# Altium PCB UmTRXv2.PcbDoc (part 3 of 25)
Units mm, origin at the board's own origin, x right, y up, seen from the top; angles counter-clockwise.
Board outline 159.5 x 99.5 mm, 6 copper layers (Top Layer, GND, MidLayer1, Mid-Layer 2, InternalPlane2, Bottom Layer), stack 1.526 mm thick; 708 components, 578 nets, 2802 pads, 1408 vias.
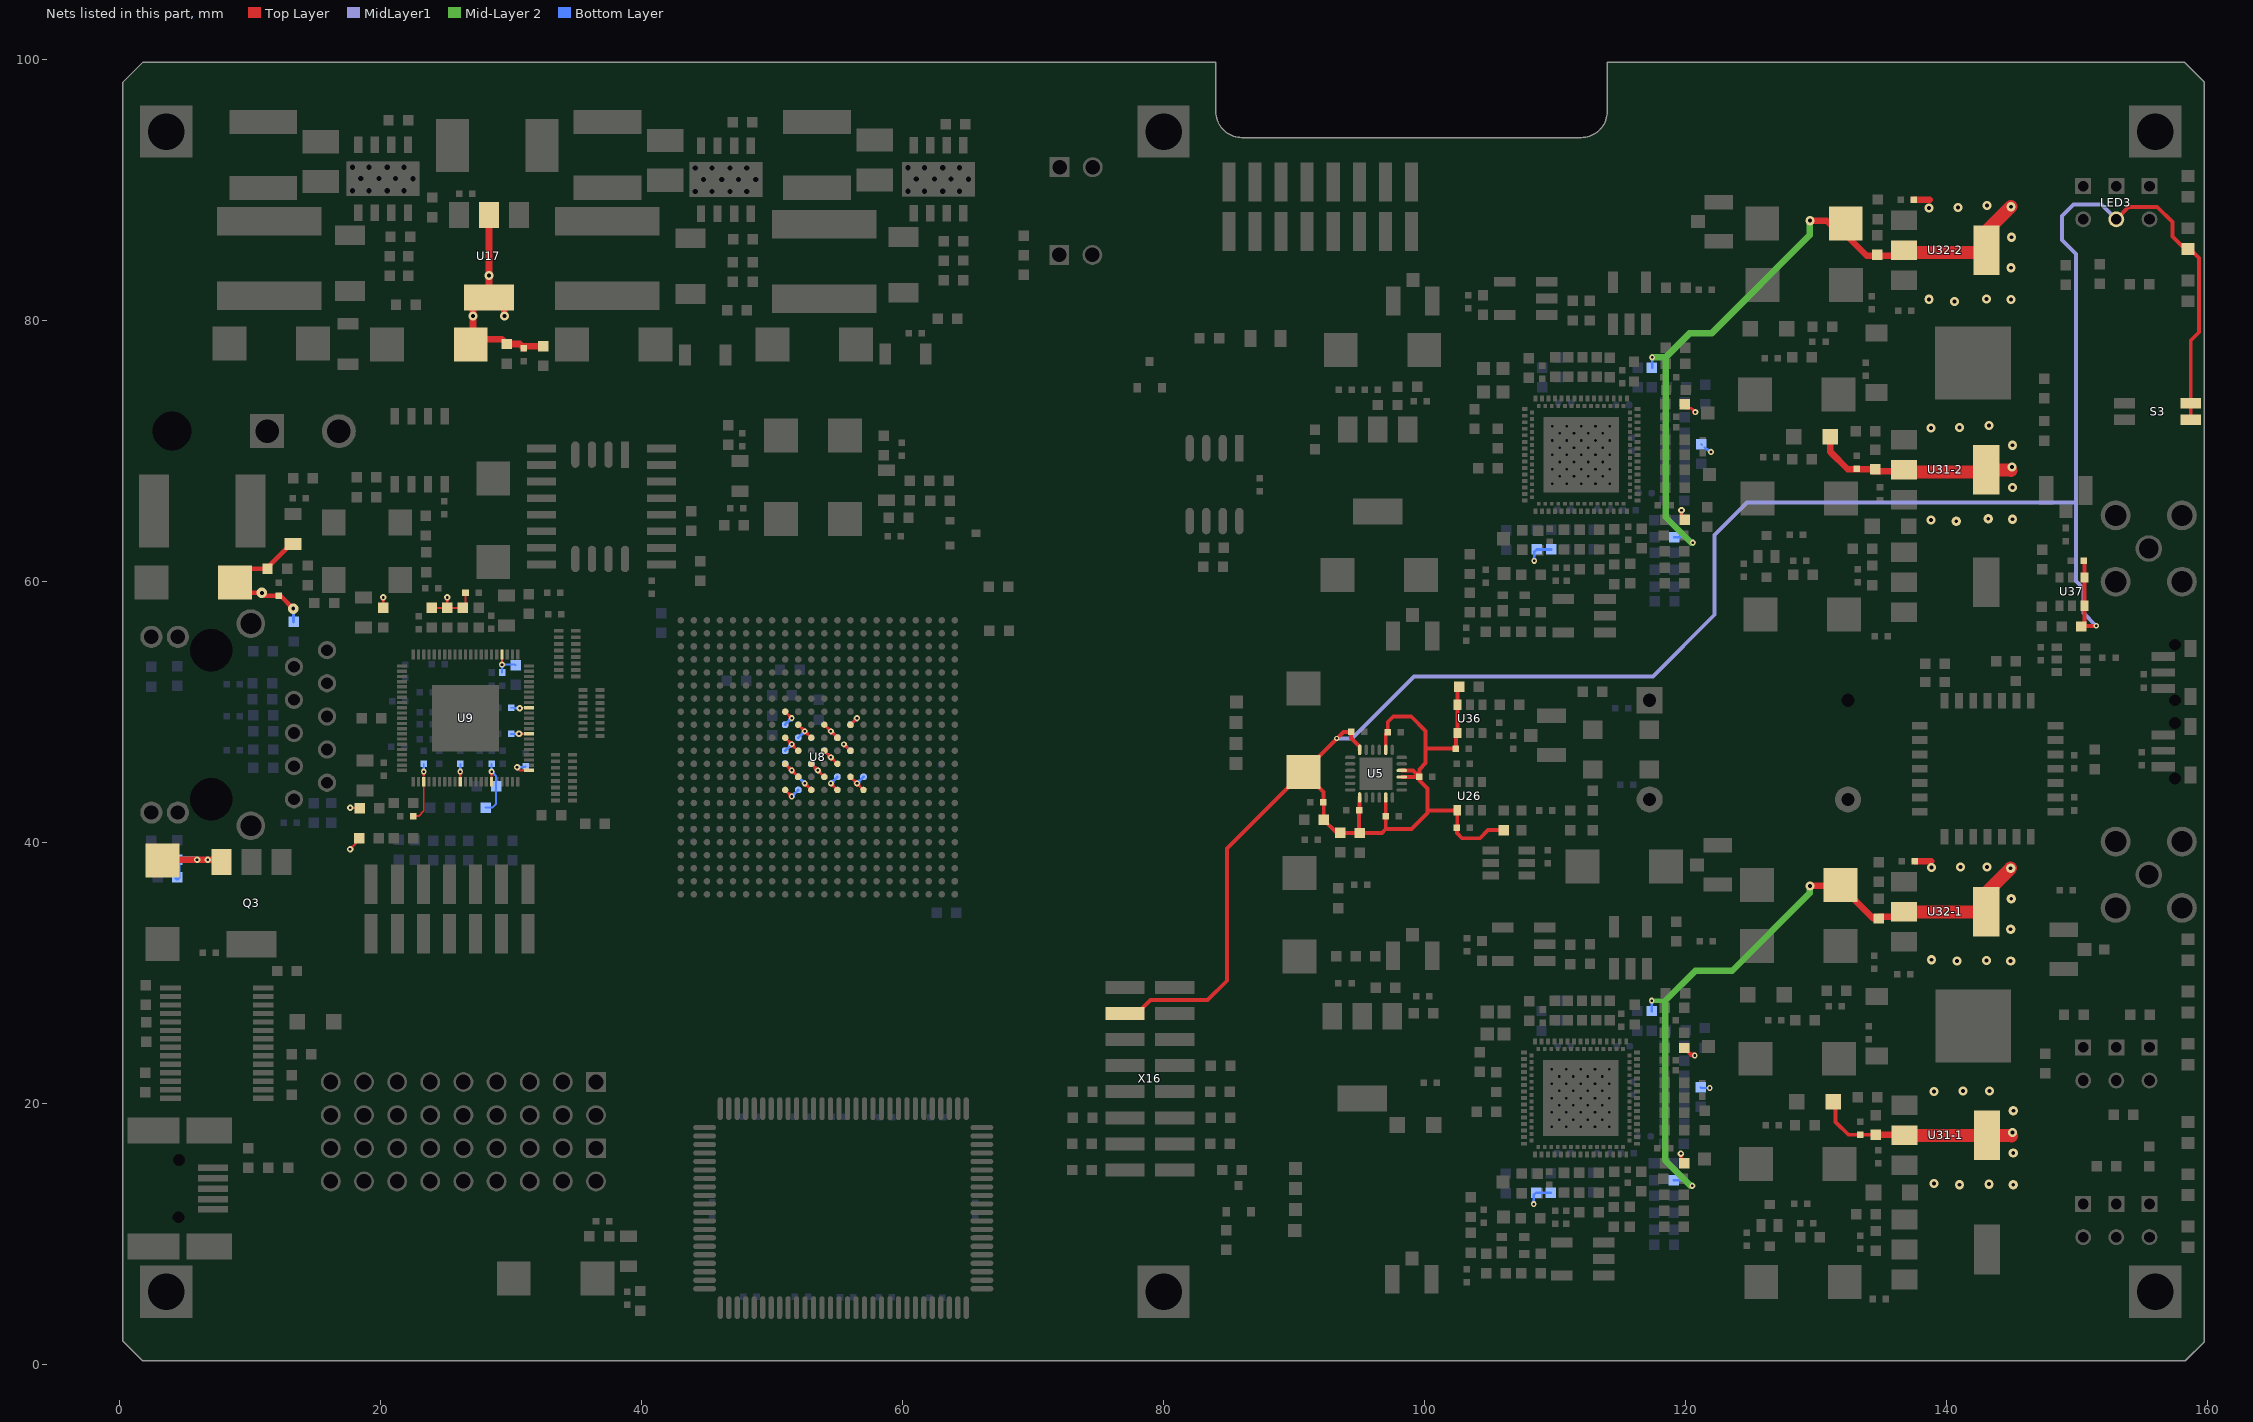
[diagram p7: the nets of this part, all layers, seen from the top]

## Via types
v1: diameter 0.5, hole 0.2, Top Layer to Bottom Layer, tented both sides, 441 vias
v2: diameter 0.45, hole 0.2, Top Layer to Bottom Layer, tented both sides, 429 vias
v3: diameter 0.7, hole 0.3, Top Layer to Bottom Layer, tented both sides, 258 vias
v4: diameter 0.4, hole 0.2, Top Layer to Bottom Layer, tented both sides, 197 vias
v5: diameter 0.8, hole 0.3, Top Layer to Bottom Layer, tented both sides, 61 vias
v6: diameter 0.6, hole 0.25, Top Layer to Bottom Layer, tented both sides, 16 vias
v7: diameter 0.6, hole 0.3, Top Layer to Bottom Layer, tented both sides, 4 vias
v8: diameter 1, hole 0.5, Top Layer to Bottom Layer, tented both sides, 2 vias

## Nets (pads, with @x,y where several pads share a name; then routed paths per layer and width w, separated by ;. In a path a pad name is that pad's centre, name@x,y a point inside that pad or via, vN(x,y) a via of type N, cw(c..) or ccw(c..) an arc to the next point about the centre after c; other vN are vias at no path point) (continued)
+1,2VFPGA: C138.1 C148.1 C154.1 C260.1 C262.1 C263.1 C264.1 C265.1 C268.1 C270.1 C271.1 C272.1 C273.1 C274.1 C276.1 C277.1 R138.1 U8.J8 U8.J10 U8.J12 U8.J14 U8.K9 U8.K11 U8.K13 U8.L10 U8.L12 U8.L14 U8.M9 U8.M11 U8.M13 U8.N10 U8.N12 U8.N14 U8.P9 U8.P11 U8.P13 U8.R14 U17.2 | length 89.7
  Top Layer w0.2: U8.J14@51,44 v2(51.5,43.5) ; U8.L14@51,46 v2(51.5,45.5) U8.K13@52,45 ; U8.N14@51,48 v2(51.5,47.5) U8.M13@52,47 ; U8.R14@51,50 v2(51.5,49.5) ; v2@51.35,43.5 ccw(c50.988,43.5) 51.244,43.756 ccw(c51.5,44.012) v2@51.5,43.65 ; v2@51.35,45.5 ccw(c50.988,45.5) 51.244,45.756 ccw(c51.5,46.012) v2@51.5,45.65 ; v2@51.35,47.5 ccw(c50.988,47.5) 51.244,47.756 ccw(c51.5,48.012) v2@51.5,47.65 ; v2@51.35,49.5 ccw(c50.988,49.5) 51.244,49.756 ccw(c51.5,50.012) v2@51.5,49.65 ; v2@51.5,45.35 cw(c51.5,44.988) 51.756,45.244 cw(c52.012,45.5) v2@51.65,45.5 ; v2@51.5,47.35 cw(c51.5,46.988) 51.756,47.244 cw(c52.012,47.5) v2@51.65,47.5 ; U8.P13@52,49 v2(52.5,48.5) U8.N12@53,48 ; v2@52.35,48.5 ccw(c51.988,48.5) 52.244,48.756 ccw(c52.5,49.012) v2@52.5,48.65 ; v2@52.5,44.35 cw(c52.5,43.988) 52.756,44.244 cw(c53.012,44.5) v2@52.65,44.5 ; v2(52.5,44.5) U8.J12@53,44 ; v2@52.5,48.35 cw(c52.5,47.988) 52.756,48.244 cw(c53.012,48.5) v2@52.65,48.5 ; U8.L12@53,46 v2(53.5,45.5) U8.K11@54,45 ; v2@53.35,45.5 ccw(c52.988,45.5) 53.244,45.756 ccw(c53.5,46.012) v2@53.5,45.65 ; v2@53.5,45.35 cw(c53.5,44.988) 53.756,45.244 cw(c54.012,45.5) v2@53.65,45.5 ; U8.M11@54,47 v2(54.5,46.5) U8.L10@55,46 ; U8.P11@54,49 v2(54.5,48.5) U8.N10@55,48 ; v2@54.35,46.5 ccw(c53.988,46.5) 54.244,46.756 ccw(c54.5,47.012) v2@54.5,46.65 ; v2@54.35,48.5 ccw(c53.988,48.5) 54.244,48.756 ccw(c54.5,49.012) v2@54.5,48.65 ; v2@54.5,44.35 cw(c54.5,43.988) 54.756,44.244 cw(c55.012,44.5) v2@54.65,44.5 ; v2(54.5,44.5) U8.J10@55,44 ; v2@54.5,46.35 cw(c54.5,45.988) 54.756,46.244 cw(c55.012,46.5) v2@54.65,46.5 ; v2@54.5,48.35 cw(c54.5,47.988) 54.756,48.244 cw(c55.012,48.5) v2@54.65,48.5 ; v2@55.5,47.35 cw(c55.5,46.988) 55.756,47.244 cw(c56.012,47.5) v2@55.65,47.5 ; v2(55.5,47.5) U8.M9@56,47 ; U8.K9@56,45 v2(56.5,44.5) U8.J8@57,44 ; U8.P9@56,49 v2(56.5,49.5) ; v2@56.35,44.5 ccw(c55.988,44.5) 56.244,44.756 ccw(c56.5,45.012) v2@56.5,44.65 ; v2@56.35,49.5 cw(c55.988,49.5) 56.244,49.244 cw(c56.5,48.988) v2@56.5,49.35 ; v2@56.5,44.35 cw(c56.5,43.988) 56.756,44.244 cw(c57.012,44.5) v2@56.65,44.5 ; 51.287,43.713 cw(c51.073,43.5) 51.375,43.5 ccw(c51.073,43.5) 51.287,43.713 ; 51.287,43.713 ccw(c51.5,43.927) 51.5,43.625 cw(c51.5,43.927) 51.287,43.713 ; 51.287,45.713 cw(c51.073,45.5) 51.375,45.5 ccw(c51.073,45.5) 51.287,45.713 ; 51.287,45.713 ccw(c51.5,45.927) 51.5,45.625 cw(c51.5,45.927) 51.287,45.713 ; 51.287,47.713 cw(c51.073,47.5) 51.375,47.5 ccw(c51.073,47.5) 51.287,47.713 ; 51.287,47.713 ccw(c51.5,47.927) 51.5,47.625 cw(c51.5,47.927) 51.287,47.713 ; 51.287,49.713 cw(c51.073,49.5) 51.375,49.5 ccw(c51.073,49.5) 51.287,49.713 ; 51.287,49.713 ccw(c51.5,49.927) 51.5,49.625 cw(c51.5,49.927) 51.287,49.713 ; 51.713,45.287 cw(c51.927,45.5) 51.625,45.5 ccw(c51.927,45.5) 51.713,45.287 ; 51.713,45.287 ccw(c51.5,45.073) 51.5,45.375 cw(c51.5,45.073) 51.713,45.287 ; 51.713,47.287 cw(c51.927,47.5) 51.625,47.5 ccw(c51.927,47.5) 51.713,47.287 ; 51.713,47.287 ccw(c51.5,47.073) 51.5,47.375 cw(c51.5,47.073) 51.713,47.287 ; 52.287,48.713 cw(c52.073,48.5) 52.375,48.5 ccw(c52.073,48.5) 52.287,48.713 ; 52.287,48.713 ccw(c52.5,48.927) 52.5,48.625 cw(c52.5,48.927) 52.287,48.713 ; 52.713,44.287 cw(c52.927,44.5) 52.625,44.5 ccw(c52.927,44.5) 52.713,44.287 ; 52.713,44.287 ccw(c52.5,44.073) 52.5,44.375 cw(c52.5,44.073) 52.713,44.287 ; 52.713,48.287 cw(c52.927,48.5) 52.625,48.5 ccw(c52.927,48.5) 52.713,48.287 ; 52.713,48.287 ccw(c52.5,48.073) 52.5,48.375 cw(c52.5,48.073) 52.713,48.287 ; 53.287,45.713 cw(c53.073,45.5) 53.375,45.5 ccw(c53.073,45.5) 53.287,45.713 ; 53.287,45.713 ccw(c53.5,45.927) 53.5,45.625 cw(c53.5,45.927) 53.287,45.713 ; 53.713,45.287 cw(c53.927,45.5) 53.625,45.5 ccw(c53.927,45.5) 53.713,45.287 ; 53.713,45.287 ccw(c53.5,45.073) 53.5,45.375 cw(c53.5,45.073) 53.713,45.287 ; 54.287,46.713 cw(c54.073,46.5) 54.375,46.5 ccw(c54.073,46.5) 54.287,46.713 ; 54.287,46.713 ccw(c54.5,46.927) 54.5,46.625 cw(c54.5,46.927) 54.287,46.713 ; 54.287,48.713 cw(c54.073,48.5) 54.375,48.5 ccw(c54.073,48.5) 54.287,48.713 ; 54.287,48.713 ccw(c54.5,48.927) 54.5,48.625 cw(c54.5,48.927) 54.287,48.713 ; 54.713,44.287 cw(c54.927,44.5) 54.625,44.5 ccw(c54.927,44.5) 54.713,44.287 ; 54.713,44.287 ccw(c54.5,44.073) 54.5,44.375 cw(c54.5,44.073) 54.713,44.287 ; 54.713,46.287 cw(c54.927,46.5) 54.625,46.5 ccw(c54.927,46.5) 54.713,46.287 ; 54.713,46.287 ccw(c54.5,46.073) 54.5,46.375 cw(c54.5,46.073) 54.713,46.287 ; 54.713,48.287 cw(c54.927,48.5) 54.625,48.5 ccw(c54.927,48.5) 54.713,48.287 ; 54.713,48.287 ccw(c54.5,48.073) 54.5,48.375 cw(c54.5,48.073) 54.713,48.287 ; 55.713,47.287 cw(c55.927,47.5) 55.625,47.5 ccw(c55.927,47.5) 55.713,47.287 ; 55.713,47.287 ccw(c55.5,47.073) 55.5,47.375 cw(c55.5,47.073) 55.713,47.287 ; 56.287,44.713 cw(c56.073,44.5) 56.375,44.5 ccw(c56.073,44.5) 56.287,44.713 ; 56.287,44.713 ccw(c56.5,44.927) 56.5,44.625 cw(c56.5,44.927) 56.287,44.713 ; 56.287,49.287 cw(c56.5,49.073) 56.5,49.375 ccw(c56.5,49.073) 56.287,49.287 ; 56.287,49.287 ccw(c56.073,49.5) 56.375,49.5 cw(c56.073,49.5) 56.287,49.287 ; 56.713,44.287 cw(c56.927,44.5) 56.625,44.5 ccw(c56.927,44.5) 56.713,44.287 ; 56.713,44.287 ccw(c56.5,44.073) 56.5,44.375 cw(c56.5,44.073) 56.713,44.287
  Top Layer w0.5: U17.2@27.075,81.2 v3(27.075,80.325) v3@27.075,80.025 ; v3@27.1,80 v3@27.075,80.025 ; U17.2@28.3,81.1 28.25,81.1 28.25,81.7 U17.2@28.3,81.75 v3(28.3,83.425) U17.2@28.3,87.575 ; U17.2@28.3,88.05 U17.2@28.3,88.525 ; v3(29.475,80.325) U17.2@29.475,81.425 ; C148.1@30.975,77.85 C148.1@30.825,78 ; R138.1@32.475,78 C148.1@30.825,78 ; v3@27.075,80.025 27.075,79.05 27.575,78.55 29.275,78.55 C154.1@29.65,78.175 30.65,78.175 C148.1@30.825,78
  Bottom Layer w0.2: C273.1@51,46 v2(51.5,45.5) ; C263.1@51,47 v2(51.5,47.5) ; C265.1@51,49 v2(51.5,49.5) ; v2@51.35,45.5 ccw(c50.988,45.5) 51.244,45.756 ccw(c51.5,46.012) v2@51.5,45.65 ; v2@51.35,47.5 cw(c50.988,47.5) 51.244,47.244 cw(c51.5,46.988) v2@51.5,47.35 ; v2@51.35,49.5 cw(c50.988,49.5) 51.244,49.244 cw(c51.5,48.988) v2@51.5,49.35 ; v2(51.5,43.5) C262.1@52,44 ; v2@51.5,43.65 ccw(c51.5,44.012) 51.756,43.756 ccw(c52.012,43.5) v2@51.65,43.5 ; C274.1@52,45 v2(52.5,44.5) ; C277.1@52,48 v2(52.5,48.5) ; v2@52.35,44.5 ccw(c51.988,44.5) 52.244,44.756 ccw(c52.5,45.012) v2@52.5,44.65 ; v2@52.35,48.5 cw(c51.988,48.5) 52.244,48.244 cw(c52.5,47.988) v2@52.5,48.35 ; C264.1@53,46 v2(53.5,45.5) ; v2@53.35,45.5 ccw(c52.988,45.5) 53.244,45.756 ccw(c53.5,46.012) v2@53.5,45.65 ; C270.1@54,47 v2(54.5,46.5) ; v2@54.35,46.5 ccw(c53.988,46.5) 54.244,46.756 ccw(c54.5,47.012) v2@54.5,46.65 ; v2(54.5,44.5) C272.1@55,45 ; v2@54.5,44.65 ccw(c54.5,45.012) 54.756,44.756 ccw(c55.012,44.5) v2@54.65,44.5 ; v2@54.5,48.35 cw(c54.5,47.988) 54.756,48.244 cw(c55.012,48.5) v2@54.65,48.5 ; v2(54.5,48.5) C268.1@55,48 ; v2@55.5,47.35 cw(c55.5,46.988) 55.756,47.244 cw(c56.012,47.5) v2@55.65,47.5 ; v2(55.5,47.5) C276.1@56,47 ; C271.1@56,49 v2(56.5,49.5) ; v2@56.35,49.5 cw(c55.988,49.5) 56.244,49.244 cw(c56.5,48.988) v2@56.5,49.35 ; v2(56.5,44.5) C260.1@57,45 ; v2@56.5,44.65 ccw(c56.5,45.012) 56.756,44.756 ccw(c57.012,44.5) v2@56.65,44.5 ; 51.287,45.713 cw(c51.073,45.5) 51.375,45.5 ccw(c51.073,45.5) 51.287,45.713 ; 51.287,45.713 ccw(c51.5,45.927) 51.5,45.625 cw(c51.5,45.927) 51.287,45.713 ; 51.287,47.287 cw(c51.5,47.073) 51.5,47.375 ccw(c51.5,47.073) 51.287,47.287 ; 51.287,47.287 ccw(c51.073,47.5) 51.375,47.5 cw(c51.073,47.5) 51.287,47.287 ; 51.287,49.287 cw(c51.5,49.073) 51.5,49.375 ccw(c51.5,49.073) 51.287,49.287 ; 51.287,49.287 ccw(c51.073,49.5) 51.375,49.5 cw(c51.073,49.5) 51.287,49.287 ; 51.713,43.713 cw(c51.5,43.927) 51.5,43.625 ccw(c51.5,43.927) 51.713,43.713 ; 51.713,43.713 ccw(c51.927,43.5) 51.625,43.5 cw(c51.927,43.5) 51.713,43.713 ; 52.287,44.713 cw(c52.073,44.5) 52.375,44.5 ccw(c52.073,44.5) 52.287,44.713 ; 52.287,44.713 ccw(c52.5,44.927) 52.5,44.625 cw(c52.5,44.927) 52.287,44.713 ; 52.287,48.287 cw(c52.5,48.073) 52.5,48.375 ccw(c52.5,48.073) 52.287,48.287 ; 52.287,48.287 ccw(c52.073,48.5) 52.375,48.5 cw(c52.073,48.5) 52.287,48.287 ; 53.287,45.713 cw(c53.073,45.5) 53.375,45.5 ccw(c53.073,45.5) 53.287,45.713 ; 53.287,45.713 ccw(c53.5,45.927) 53.5,45.625 cw(c53.5,45.927) 53.287,45.713 ; 54.287,46.713 cw(c54.073,46.5) 54.375,46.5 ccw(c54.073,46.5) 54.287,46.713 ; 54.287,46.713 ccw(c54.5,46.927) 54.5,46.625 cw(c54.5,46.927) 54.287,46.713 ; 54.713,44.713 cw(c54.5,44.927) 54.5,44.625 ccw(c54.5,44.927) 54.713,44.713 ; 54.713,44.713 ccw(c54.927,44.5) 54.625,44.5 cw(c54.927,44.5) 54.713,44.713 ; 54.713,48.287 cw(c54.927,48.5) 54.625,48.5 ccw(c54.927,48.5) 54.713,48.287 ; 54.713,48.287 ccw(c54.5,48.073) 54.5,48.375 cw(c54.5,48.073) 54.713,48.287 ; 55.713,47.287 cw(c55.927,47.5) 55.625,47.5 ccw(c55.927,47.5) 55.713,47.287 ; 55.713,47.287 ccw(c55.5,47.073) 55.5,47.375 cw(c55.5,47.073) 55.713,47.287 ; 56.287,49.287 cw(c56.5,49.073) 56.5,49.375 ccw(c56.5,49.073) 56.287,49.287 ; 56.287,49.287 ccw(c56.073,49.5) 56.375,49.5 cw(c56.073,49.5) 56.287,49.287 ; 56.713,44.713 cw(c56.5,44.927) 56.5,44.625 ccw(c56.5,44.927) 56.713,44.713 ; 56.713,44.713 ccw(c56.927,44.5) 56.625,44.5 cw(c56.927,44.5) 56.713,44.713
+1,8VALMS-1: C72-1.1 C169-1.1 L14-1.1 L15-1.1 R101-1.2 U32-1.2 | length 56
  Top Layer w0.5: v3(129.525,36.65) C169-1.1@131.6,36.65 ; C169-1.1@132.044,36.994 C169-1.1@132.7,36.994 ; C169-1.1@132.7,35.825 134.375,34.15 R101-1.2@134.8,34.15 ; R101-1.2@134.8,34.277 136.74,34.277 U32-1.2@136.74,34.656 ; C72-1.1@137.55,38.55 138.825,38.55
  Top Layer w1: U32-1.2@136.74,34.656 U32-1.2@143.04,34.656 143.04,36.126 v3(144.915,38.002)
  Mid-Layer 2 w0.35: v2(117.411,27.858) 118.423,27.858 118.444,27.838
  Mid-Layer 2 w0.5: v2(120.511,13.658) 120.398,13.658 118.444,15.612 118.444,27.838 120.756,30.15 123.575,30.15 129.525,36.1 v3(129.525,36.65)
  Bottom Layer w0.2: L15-1.1@117.411,27.058 v2(117.411,27.858) ; L14-1.1@119.107,14.088 120.081,14.088 v2(120.511,13.658) ; v2@117.323,27.77 cw(c117.109,27.556) 117.411,27.556 ; v2@117.323,27.77 cw(c117.109,27.556) 117.411,27.556 ; v2@117.323,27.77 cw(c117.109,27.556) 117.411,27.556 ; 117.411,27.556 cw(c117.713,27.556) v2@117.499,27.77 ; 117.411,27.556 cw(c117.713,27.556) v2@117.499,27.77 ; 117.411,27.556 cw(c117.713,27.556) v2@117.499,27.77 ; 120.298,13.872 cw(c120.084,13.658) v2@120.386,13.658 ; 120.298,13.872 ccw(c120.511,14.085) v2@120.511,13.783 ; 120.298,13.872 ccw(c120.511,14.085) v2@120.511,13.783 ; 120.298,13.872 cw(c120.084,13.658) v2@120.386,13.658 ; 120.298,13.872 ccw(c120.511,14.085) v2@120.511,13.783 ; 120.298,13.872 cw(c120.084,13.658) v2@120.386,13.658
  other v3: 140.801,30.898 144.915,30.898 143.053,30.942 138.852,30.985 144.915,33.324 144.959,35.663 138.852,38.045 141.061,38.088 143.096,38.088
+1,8VALMS-2: C72-2.1 C169-2.1 L14-2.1 L15-2.1 R101-2.2 U32-2.2 | length 58.3
  Top Layer w0.5: v3(129.525,87.625) 130.825,87.625 131.425,87.025 131.925,87.025 132.625,86.325 132.625,86.2 133.888,84.937 U32-2.2@136.492,84.937 ; C169-2.1@131.675,87.375 C169-2.1@132.225,87.925 ; U32-2.2@136.55,84.85 U32-2.2@136.55,85.2 ; C72-2.1@137.5,89.225 138.725,89.225
  Top Layer w1: U32-2.2@136.55,85.2 U32-2.2@142.85,85.2 ; U32-2.2@143.05,85.35 143.05,86.82 v3(144.925,88.696)
  Mid-Layer 2 w0.5: v2(117.45,77.15) 118.462,77.15 ; v2(120.55,62.95) 120.437,62.95 118.483,64.904 118.483,77.13 118.462,77.15 ; v3(129.525,87.625) 129.525,86.525 121.988,78.988 120.3,78.988 118.462,77.15
  Bottom Layer w0.2: L15-2.1@117.45,76.35 v2(117.45,77.15) ; L14-2.1@119.146,63.38 120.12,63.38 v2(120.55,62.95) ; v2@117.362,77.062 cw(c117.148,76.848) 117.45,76.848 ; v2@117.362,77.062 cw(c117.148,76.848) 117.45,76.848 ; v2@117.362,77.062 cw(c117.148,76.848) 117.45,76.848 ; 117.45,76.848 cw(c117.752,76.848) v2@117.538,77.062 ; 117.45,76.848 cw(c117.752,76.848) v2@117.538,77.062 ; 117.45,76.848 cw(c117.752,76.848) v2@117.538,77.062 ; 120.337,63.163 cw(c120.123,62.95) v2@120.425,62.95 ; 120.337,63.163 ccw(c120.55,63.377) v2@120.55,63.075 ; 120.337,63.163 ccw(c120.55,63.377) v2@120.55,63.075 ; 120.337,63.163 cw(c120.123,62.95) v2@120.425,62.95 ; 120.337,63.163 ccw(c120.55,63.377) v2@120.55,63.075 ; 120.337,63.163 cw(c120.123,62.95) v2@120.425,62.95
  other v3: 140.611,81.442 138.65,81.6 144.925,81.592 143.063,81.636 144.925,84.018 144.969,86.357 138.661,88.589 140.87,88.632 143.106,88.782
+1,8VDLMS-1: C66-1.1 C71-1.1 L11-1.2 L16-1.2 L18-1.2 L19-1.2 L20-1.2 R100-1.2 U31-1.2 | length 32
  Top Layer w0.2: L19-1.2@119.654,15.495 v1@119.654,16.069 ; L19-1.2@119.907,15.588 L19-1.2@120.037,15.458 ; L16-1.2@119.907,24.188 119.907,24.143 120.4,23.65 ; 120.33,23.849 ccw(c120.561,24.08) v2@120.662,23.769 ; v2(120.7,23.65) 120.4,23.65 ; v1@119.542,16.03 cw(c119.273,15.761) L19-1.2@119.654,15.761 ; v1@119.542,16.03 cw(c119.273,15.761) L19-1.2@119.654,15.761 ; v1@119.542,16.03 cw(c119.273,15.761) L19-1.2@119.654,15.761 ; L19-1.2@119.654,15.787 cw(c119.997,15.787) v1@119.754,16.03 ; L19-1.2@119.654,15.787 cw(c119.997,15.787) v1@119.754,16.03 ; L19-1.2@119.654,15.787 cw(c119.997,15.787) v1@119.754,16.03 ; L16-1.2@119.974,24.076 ccw(c120.7,24.801) v2@120.7,23.775 ; L16-1.2@119.974,24.076 ccw(c120.7,24.801) v2@120.7,23.775 ; L16-1.2@119.974,24.076 ccw(c120.7,24.801) v2@120.7,23.775 ; L16-1.2@120.158,23.92 cw(c119.973,23.23) v2@120.592,23.588 ; L16-1.2@120.158,23.92 cw(c119.973,23.23) v2@120.592,23.588 ; L16-1.2@120.158,23.92 cw(c119.973,23.23) v2@120.592,23.588 ; 120.316,23.734 ccw(c120.7,24.118) v2@120.7,23.575 ; 120.316,23.734 ccw(c120.7,24.118) v2@120.7,23.575 ; 120.316,23.734 ccw(c120.7,24.118) v2@120.7,23.575 ; 120.4,23.65 cw(c120.4,23.353) v2@120.611,23.562 ; 120.4,23.65 ccw(c120.4,23.947) v2@120.611,23.738 ; 120.4,23.65 ccw(c120.4,23.947) v2@120.611,23.738 ; 120.4,23.65 cw(c120.4,23.353) v2@120.611,23.562 ; 120.4,23.65 ccw(c120.4,23.947) v2@120.611,23.738 ; 120.4,23.65 cw(c120.4,23.353) v2@120.611,23.562
  Top Layer w0.3: C66-1.1@131.5,20 131.5,18.55 132.473,17.577 C71-1.1@133.39,17.577 ; C71-1.1@133.35,17.577 R100-1.2@134.59,17.577
  Top Layer w0.5: R100-1.2@134.59,17.577 136.74,17.577 U31-1.2@136.79,17.527
  Top Layer w1: U31-1.2@136.79,17.527 U31-1.2@143.09,17.527 144.938,17.527 v3@144.972,17.493
  Bottom Layer w0.15: L18-1.2@121.161,21.208 121.211,21.158 v2(121.85,21.158) ; L18-1.2@121.549,21.158 cw(c121.549,20.796) v2@121.805,21.052 ; L18-1.2@121.549,21.158 ccw(c121.549,21.52) v2@121.805,21.264 ; L18-1.2@121.549,21.158 ccw(c121.549,21.52) v2@121.805,21.264 ; L18-1.2@121.549,21.158 cw(c121.549,20.796) v2@121.805,21.052 ; L18-1.2@121.549,21.158 ccw(c121.549,21.52) v2@121.805,21.264 ; L18-1.2@121.549,21.158 cw(c121.549,20.796) v2@121.805,21.052
  Bottom Layer w0.2: v2(108.361,12.258) 108.361,12.942 L20-1.2@108.557,13.138 L11-1.2@109.657,13.138 ; v2@108.273,12.347 ccw(c108.059,12.56) 108.361,12.56 ; v2@108.273,12.347 ccw(c108.059,12.56) 108.361,12.56 ; v2@108.273,12.347 ccw(c108.059,12.56) 108.361,12.56 ; 108.361,12.56 ccw(c108.663,12.56) v2@108.449,12.347 ; 108.361,12.56 ccw(c108.663,12.56) v2@108.449,12.347 ; 108.361,12.56 ccw(c108.663,12.56) v2@108.449,12.347
  other v1: 119.648,16.136
  other v3: 140.995,13.744 145.109,13.744 143.247,13.787 139.046,13.83 145.109,16.169 145.059,17.753 145.116,19.417 139.046,20.89 141.255,20.934 143.29,20.934
+1,8VDLMS-2: C66-2.1 C71-2.1 L11-2.2 L16-2.2 L18-2.2 L19-2.2 L20-2.2 R100-2.2 U31-2.2 | length 28.5
  Top Layer w0.2: L19-2.2@119.693,64.787 v1@119.693,65.361 ; L19-2.2@119.946,64.88 L19-2.2@120.076,64.75 ; L16-2.2@119.946,73.48 119.946,73.354 120.05,73.25 120.45,73.25 120.65,73.05 v2@120.65,72.85 ; v1@119.581,65.322 cw(c119.312,65.053) L19-2.2@119.693,65.053 ; v1@119.581,65.322 cw(c119.312,65.053) L19-2.2@119.693,65.053 ; v1@119.581,65.322 cw(c119.312,65.053) L19-2.2@119.693,65.053 ; L19-2.2@119.693,65.079 cw(c120.036,65.079) v1@119.793,65.322 ; L19-2.2@119.693,65.079 cw(c120.036,65.079) v1@119.793,65.322 ; L19-2.2@119.693,65.079 cw(c120.036,65.079) v1@119.793,65.322 ; 120.537,73.163 cw(c120.323,72.95) v2@120.625,72.95 ; 120.537,73.163 ccw(c120.75,73.377) v2@120.75,73.075 ; 120.537,73.163 ccw(c120.75,73.377) v2@120.75,73.075 ; 120.537,73.163 cw(c120.323,72.95) v2@120.625,72.95 ; 120.537,73.163 ccw(c120.75,73.377) v2@120.75,73.075 ; 120.537,73.163 cw(c120.323,72.95) v2@120.625,72.95
  Top Layer w0.5: C66-2.1@131.1,71.075 131.1,69.9 132.424,68.576 R100-2.2@134.54,68.576 ; R100-2.2@134.34,68.426 136.49,68.426 U31-2.2@136.54,68.376
  Top Layer w1: U31-2.2@136.54,68.376 U31-2.2@142.84,68.376 ; U31-2.2@143.04,68.526 144.888,68.526 v3@144.922,68.492
  Bottom Layer w0.15: L18-2.2@121.2,70.5 L18-2.2@121.25,70.45 ; v2@121.95,70.1 121.85,70 121.775,69.925 L18-2.2@121.45,70.25 ; L18-2.2@121.45,70.25 ccw(c121.933,70.733) v2@121.947,70.05 ; L18-2.2@121.45,70.25 ccw(c121.933,70.733) v2@121.947,70.05 ; L18-2.2@121.45,70.25 ccw(c121.933,70.733) v2@121.947,70.05 ; 121.666,70.119 cw(c121.559,69.687) v2(121.95,69.9) ; 121.666,70.119 cw(c121.559,69.687) v2(121.95,69.9) ; 121.666,70.119 cw(c121.559,69.687) v2(121.95,69.9) ; 121.699,70.001 ccw(c121.943,70.245) v2(121.95,69.9) ; 121.699,70.001 ccw(c121.943,70.245) v2(121.95,69.9) ; 121.699,70.001 ccw(c121.943,70.245) v2(121.95,69.9)
  Bottom Layer w0.2: v2(108.4,61.55) 108.4,62.234 L20-2.2@108.596,62.43 L11-2.2@109.696,62.43 ; v2@108.312,61.638 ccw(c108.098,61.852) 108.4,61.852 ; v2@108.312,61.638 ccw(c108.098,61.852) 108.4,61.852 ; v2@108.312,61.638 ccw(c108.098,61.852) 108.4,61.852 ; 108.4,61.852 ccw(c108.702,61.852) v2@108.488,61.638 ; 108.4,61.852 ccw(c108.702,61.852) v2@108.488,61.638 ; 108.4,61.852 ccw(c108.702,61.852) v2@108.488,61.638
  other v1: 119.687,65.428
  other v2: 120.75,72.95
  other v3: 140.745,64.593 138.796,64.68 145.059,64.743 143.197,64.786 145.059,67.169 145.009,68.752 145.066,70.416 138.796,71.74 141.005,71.783 143.24,71.933
+2,5VCC: C14.2 C15.2 C17.1 C18.1 C19.1 C20.1 C21.1 C22.1 C290.1 C294.2 C295.2 L3.1 LED3.5 LED3B'.2 R11.1 R122.2 R154.2 R156.1 S3.3 S3.4 U5.7 U5.11 U5.15 U5.16 U5.20 U5.24 U26.1 U36.1 U36.6 U37.1 U37.6 X16.14 | length 216.3
  Top Layer w0.3: X16.14@77.05,26.875 77.975,26.875 79,27.9 83.375,27.9 84.85,29.375 84.85,39.5 C17.1@90.725,45.375 ; U5.7@95.025,43.425 95.025,42.487 C15.2@94.987,42.45 94.987,40.738 R11.1@95.025,40.7 ; U5.24@95.025,47.075 95.025,47.325 94.367,47.983 94.367,48.442 C21.1@94.375,48.45 93.8,48.45 C17.1@90.725,45.375 ; U5.11@97.025,43.425 97.025,42.712 C14.2@97.025,42 97.025,41 ; U5.20@97.025,47.075 97.025,48.275 C20.1@97.175,48.425 97.175,49.2 97.6,49.625 98.975,49.625 100.075,48.525 100.075,47.175 ; U5.15@98.25,45 C22.1@99.6,45 ; U5.16@98.25,45.5 99.1,45.5 C22.1@99.6,45 ; C290.1@102.45,40.95 102.45,41.1 102.5,41.15 U26.1@102.5,42.44 100.26,42.44 100.225,42.475 ; C290.1@102.475,41.1 102.475,40.7 102.875,40.3 104.25,40.3 104.875,40.925 R156.1@106.05,40.925 ; R154.2@102.651,51.9 102.524,51.773 U36.6@102.524,50.535 U36.1@102.524,48.365 102.4,48.241 C294.2@102.4,47.175 100.075,47.175 ; R122.2@150.325,56.525 R122.2@150.375,56.575 ; R122.2@150.325,56.575 R122.2@150.375,56.575 ; C295.2@150.525,61.55 150.564,61.511 U37.1@150.564,60.28 U37.6@150.564,58.11 150.564,56.764 R122.2@150.375,56.575 ; v4(151.475,56.575) R122.2@150.375,56.575 ; LED3.5@153.01,87.73 153.955,88.675 156.15,88.675 157.3,87.525 157.3,86.425 158.525,85.2 158.925,85.2 159.35,84.775 159.35,79.075 158.715,78.44 S3.3@158.715,73.635 S3.4@158.715,72.365 ; C17.1@90.725,45.375 92.25,43.85 C18.1@92.25,43.05 92.275,43.025 L3.1@92.275,41.7 93.238,40.737 93.738,40.737 93.775,40.7 R11.1@95.025,40.7 ; R11.1@95.025,40.7 96.725,40.7 97.025,41 ; 97.025,41 99,41 100.225,42.225 100.225,42.475 ; C22.1@99.6,45 99.6,44.738 100.225,44.113 100.225,42.475 ; C22.1@99.6,45 99.6,45.575 100.075,46.05 100.075,47.175
  MidLayer1 w0.3: v4(93.275,47.95) 94.45,47.95 99.2,52.7 117.5,52.7 122.225,57.425 122.225,63.55 124.7,66.025 149.925,66.025 ; v4(151.475,56.575) 150.5,57.55 150.5,59.445 149.925,60.02 149.925,66.025 ; LED3.5@153.01,87.73 151.865,88.875 149.725,88.875 148.85,88 148.85,86.16 149.925,85.085 149.925,66.025
+2,5VETH: C40.1 C41.2 C157.1 C163.1 C167.1 C171.1 C228.2 C229.1 C230.1 C231.1 C232.1 C233.1 C234.1 C235.1 L4.1 L42.2 L45.1 LED5.2 LED6.2 Q3.3 R41.2 R46.2 R52.1 R53.1 R54.1 R91.1 R92.1 U9.4 U9.45 U9.52 U9.58 U9.64 U9.71 U9.76 | length 79.1
  Top Layer w0.15: v1(17.65,39.45) 18.3,40.1 LED6.2@18.35,40.1 ; v1(17.675,42.65) 17.725,42.6 LED5.2@18.4,42.6 ; L45.1@20.2,57.95 v1(20.2,58.75) ; C228.2@22.5,42 22.9,42 23.3,42.4 U9.45@23.3,44.625 v2(23.3,45.4) ; R54.1@23.9,57.95 R53.1@25.1,57.95 ; v1(25.1,58.75) R53.1@25.1,57.95 ; U9.52@26.1,44.625 v2(26.1,45.4) ; C40.1@26.5,59.1 26.5,58.15 R52.1@26.3,57.95 R53.1@25.1,57.95 ; U9.58@28.5,44.625 v2(28.5,45.4) ; v2(29.3,53.6) U9.4@29.3,54.375 ; v1(30.45,45.75) 30.45,45.7 30.65,45.5 ; v1(30.6,48.3) U9.71@31.375,48.3 ; v1(30.65,50.25) 30.7,50.3 U9.76@31.375,50.3 ; U9.64@31.375,45.5 30.65,45.5 ; v1@17.645,39.474 ccw(c17.58,39.794) 17.895,39.71 ; v1@17.645,39.474 ccw(c17.58,39.794) 17.895,39.71 ; v1@17.645,39.474 ccw(c17.58,39.794) 17.895,39.71 ; v1@17.65,39.625 ccw(c17.65,40.047) 17.949,39.749 ; v1@17.65,39.625 ccw(c17.65,40.047) 17.949,39.749 ; v1@17.65,39.625 ccw(c17.65,40.047) 17.949,39.749 ; v1@17.674,39.445 cw(c17.994,39.38) 17.91,39.695 ; v1@17.674,39.445 cw(c17.994,39.38) 17.91,39.695 ; v1@17.674,39.445 cw(c17.994,39.38) 17.91,39.695 ; v1@17.825,39.45 cw(c18.247,39.45) 17.949,39.749 ; v1@17.825,39.45 cw(c18.247,39.45) 17.949,39.749 ; v1@17.825,39.45 cw(c18.247,39.45) 17.949,39.749 ; v1@20.076,58.626 cw(c19.778,58.328) L45.1@20.2,58.328 ; v1@20.076,58.626 cw(c19.778,58.328) L45.1@20.2,58.328 ; v1@20.076,58.626 cw(c19.778,58.328) L45.1@20.2,58.328 ; L45.1@20.2,58.328 cw(c20.622,58.328) v1@20.324,58.626 ; L45.1@20.2,58.328 cw(c20.622,58.328) v1@20.324,58.626 ; L45.1@20.2,58.328 cw(c20.622,58.328) v1@20.324,58.626 ; v2@23.194,45.294 cw(c22.938,45.038) 23.3,45.038 ; v2@23.194,45.294 cw(c22.938,45.038) 23.3,45.038 ; v2@23.194,45.294 cw(c22.938,45.038) 23.3,45.038 ; 23.3,45.038 cw(c23.662,45.038) v2@23.406,45.294 ; 23.3,45.038 cw(c23.662,45.038) v2@23.406,45.294 ; 23.3,45.038 cw(c23.662,45.038) v2@23.406,45.294 ; v1@24.976,58.626 cw(c24.678,58.328) R53.1@25.1,58.328 ; v1@24.976,58.626 cw(c24.678,58.328) R53.1@25.1,58.328 ; v1@24.976,58.626 cw(c24.678,58.328) R53.1@25.1,58.328 ; R53.1@25.1,58.328 cw(c25.522,58.328) v1@25.224,58.626 ; R53.1@25.1,58.328 cw(c25.522,58.328) v1@25.224,58.626 ; R53.1@25.1,58.328 cw(c25.522,58.328) v1@25.224,58.626 ; v2@25.994,45.294 cw(c25.738,45.038) 26.1,45.038 ; v2@25.994,45.294 cw(c25.738,45.038) 26.1,45.038 ; v2@25.994,45.294 cw(c25.738,45.038) 26.1,45.038 ; 26.1,45.038 cw(c26.462,45.038) v2@26.206,45.294 ; 26.1,45.038 cw(c26.462,45.038) v2@26.206,45.294 ; 26.1,45.038 cw(c26.462,45.038) v2@26.206,45.294 ; v2@28.394,45.294 cw(c28.138,45.038) 28.5,45.038 ; v2@28.394,45.294 cw(c28.138,45.038) 28.5,45.038 ; v2@28.394,45.294 cw(c28.138,45.038) 28.5,45.038 ; 28.5,45.038 cw(c28.862,45.038) v2@28.606,45.294 ; 28.5,45.038 cw(c28.862,45.038) v2@28.606,45.294 ; 28.5,45.038 cw(c28.862,45.038) v2@28.606,45.294 ; v2@29.194,53.706 ccw(c28.938,53.962) 29.3,53.962 ; v2@29.194,53.706 ccw(c28.938,53.962) 29.3,53.962 ; v2@29.194,53.706 ccw(c28.938,53.962) 29.3,53.962 ; 29.3,53.962 ccw(c29.662,53.962) v2@29.406,53.706 ; 29.3,53.962 ccw(c29.662,53.962) v2@29.406,53.706 ; 29.3,53.962 ccw(c29.662,53.962) v2@29.406,53.706 ; v1@30.457,45.575 cw(c30.468,45.318) 30.65,45.5 ; v1@30.457,45.575 cw(c30.468,45.318) 30.65,45.5 ; v1@30.457,45.575 cw(c30.468,45.318) 30.65,45.5 ; v1@30.612,45.685 ccw(c30.771,45.621) 30.65,45.5 ; v1@30.612,45.685 ccw(c30.771,45.621) 30.65,45.5 ; v1@30.612,45.685 ccw(c30.771,45.621) 30.65,45.5 ; v1@30.724,48.176 cw(c31.022,47.878) U9.71@31.022,48.3 ; v1@30.724,48.176 cw(c31.022,47.878) U9.71@31.022,48.3 ; v1@30.724,48.176 cw(c31.022,47.878) U9.71@31.022,48.3 ; v1@30.724,48.424 ccw(c31.022,48.722) U9.71@31.022,48.3 ; v1@30.724,48.424 ccw(c31.022,48.722) U9.71@31.022,48.3 ; v1@30.724,48.424 ccw(c31.022,48.722) U9.71@31.022,48.3
  Top Layer w0.35: L42.2@13.075,62.8 11.3,61.025 11.3,60.975 C163.1@11.325,60.95 9.9,60.95 C167.1@8.85,59.9 9.65,59.1 v5(10.9,59.1) 11.125,58.875 C157.1@12.175,58.875 12.325,58.875 v5(13.3,57.9)
  Top Layer w0.5: C171.1@2.9,37.6 3.95,38.65 v1(6.75,38.65) Q3.3@7.8,38.65
  Bottom Layer w0.15: v2(23.3,45.4) C229.1@23.3,46 ; v2(26.1,45.4) C232.1@26.1,46 ; R91.1@28.05,42.65 28.55,42.65 28.85,42.95 R92.1@28.85,44.287 28.85,45.05 v2(28.5,45.4) C233.1@28.5,46 ; C230.1@29.3,53 v2(29.3,53.6) 30.3,53.6 C41.2@30.35,53.55 ; C231.1@30,48.3 v1(30.6,48.3) ; C234.1@30,50.3 30.6,50.3 v1(30.65,50.25) ; v1(30.45,45.75) 31.05,45.75 C235.1@31.1,45.8 ; v2@23.194,45.506 ccw(c22.938,45.762) C229.1@23.3,45.762 ; v2@23.194,45.506 ccw(c22.938,45.762) C229.1@23.3,45.762 ; v2@23.194,45.506 ccw(c22.938,45.762) C229.1@23.3,45.762 ; C229.1@23.3,45.762 ccw(c23.662,45.762) v2@23.406,45.506 ; C229.1@23.3,45.762 ccw(c23.662,45.762) v2@23.406,45.506 ; C229.1@23.3,45.762 ccw(c23.662,45.762) v2@23.406,45.506 ; v2@25.994,45.506 ccw(c25.738,45.762) C232.1@26.1,45.762 ; v2@25.994,45.506 ccw(c25.738,45.762) C232.1@26.1,45.762 ; v2@25.994,45.506 ccw(c25.738,45.762) C232.1@26.1,45.762 ; C232.1@26.1,45.762 ccw(c26.462,45.762) v2@26.206,45.506 ; C232.1@26.1,45.762 ccw(c26.462,45.762) v2@26.206,45.506 ; C232.1@26.1,45.762 ccw(c26.462,45.762) v2@26.206,45.506 ; v2@28.394,45.506 ccw(c28.138,45.762) C233.1@28.5,45.762 ; v2@28.394,45.506 ccw(c28.138,45.762) C233.1@28.5,45.762 ; v2@28.394,45.506 ccw(c28.138,45.762) C233.1@28.5,45.762 ; v2@28.5,45.25 cw(c28.5,44.888) 28.756,45.144 ; v2@28.5,45.25 cw(c28.5,44.888) 28.756,45.144 ; v2@28.5,45.25 cw(c28.5,44.888) 28.756,45.144 ; C233.1@28.5,45.762 ccw(c28.862,45.762) v2@28.606,45.506 ; C233.1@28.5,45.762 ccw(c28.862,45.762) v2@28.606,45.506 ; C233.1@28.5,45.762 ccw(c28.862,45.762) v2@28.606,45.506 ; v2@28.65,45.4 ccw(c29.012,45.4) 28.756,45.144 ; v2@28.65,45.4 ccw(c29.012,45.4) 28.756,45.144 ; v2@28.65,45.4 ccw(c29.012,45.4) 28.756,45.144 ; v2@29.194,53.494 cw(c28.938,53.238) C230.1@29.3,53.238 ; v2@29.194,53.494 cw(c28.938,53.238) C230.1@29.3,53.238 ; v2@29.194,53.494 cw(c28.938,53.238) C230.1@29.3,53.238 ; C230.1@29.3,53.238 cw(c29.662,53.238) v2@29.406,53.494 ; C230.1@29.3,53.238 cw(c29.662,53.238) v2@29.406,53.494 ; C230.1@29.3,53.238 cw(c29.662,53.238) v2@29.406,53.494 ; v2@29.406,53.494 cw(c29.662,53.238) 29.662,53.6 ; v2@29.406,53.494 cw(c29.662,53.238) 29.662,53.6 ; v2@29.406,53.494 cw(c29.662,53.238) 29.662,53.6 ; v2@29.406,53.706 ccw(c29.662,53.962) 29.662,53.6 ; v2@29.406,53.706 ccw(c29.662,53.962) 29.662,53.6 ; v2@29.406,53.706 ccw(c29.662,53.962) 29.662,53.6 ; C234.1@30.107,50.3 cw(c30.107,49.707) v1@30.526,50.126 ; C234.1@30.107,50.3 cw(c30.107,49.707) v1@30.526,50.126 ; C234.1@30.107,50.3 cw(c30.107,49.707) v1@30.526,50.126 ; C231.1@30.178,48.3 cw(c30.178,47.878) v1@30.476,48.176 ; C231.1@30.178,48.3 ccw(c30.178,48.722) v1@30.476,48.424 ; C231.1@30.178,48.3 ccw(c30.178,48.722) v1@30.476,48.424 ; C231.1@30.178,48.3 cw(c30.178,47.878) v1@30.476,48.176 ; C231.1@30.178,48.3 ccw(c30.178,48.722) v1@30.476,48.424 ; C231.1@30.178,48.3 cw(c30.178,47.878) v1@30.476,48.176 ; 30.348,50.3 ccw(c30.348,50.552) v1@30.526,50.374 ; 30.348,50.3 ccw(c30.348,50.552) v1@30.526,50.374 ; 30.348,50.3 ccw(c30.348,50.552) v1@30.526,50.374 ; v1@30.574,45.626 cw(c30.872,45.328) C235.1@30.872,45.75 ; v1@30.574,45.626 cw(c30.872,45.328) C235.1@30.872,45.75 ; v1@30.574,45.626 cw(c30.872,45.328) C235.1@30.872,45.75 ; v1@30.574,45.874 ccw(c30.872,46.172) C235.1@30.872,45.75 ; v1@30.574,45.874 ccw(c30.872,46.172) C235.1@30.872,45.75 ; v1@30.574,45.874 ccw(c30.872,46.172) C235.1@30.872,45.75
  Bottom Layer w0.25: v5(13.3,57.9) 13.325,57.875 L4.1@13.325,56.875
  Bottom Layer w0.5: R46.2@4.425,37.325 R41.2@4.425,38.65 v1(5.925,38.65)